# Altium PCB 10X SD CARD READER PCB.PcbDoc (part 1 of 4)
Units mm, origin at the board's own origin, x right, y up, seen from the top; angles counter-clockwise.
Board outline 157.35 x 86.61 mm, 6 copper layers (Top Layer, Int1_GND1, Int2 Sig1, Int3_PWR1, Int4_GND2, Bottom Layer), stack 1.538 mm thick; 309 components, 269 nets, 1221 pads, 584 vias.
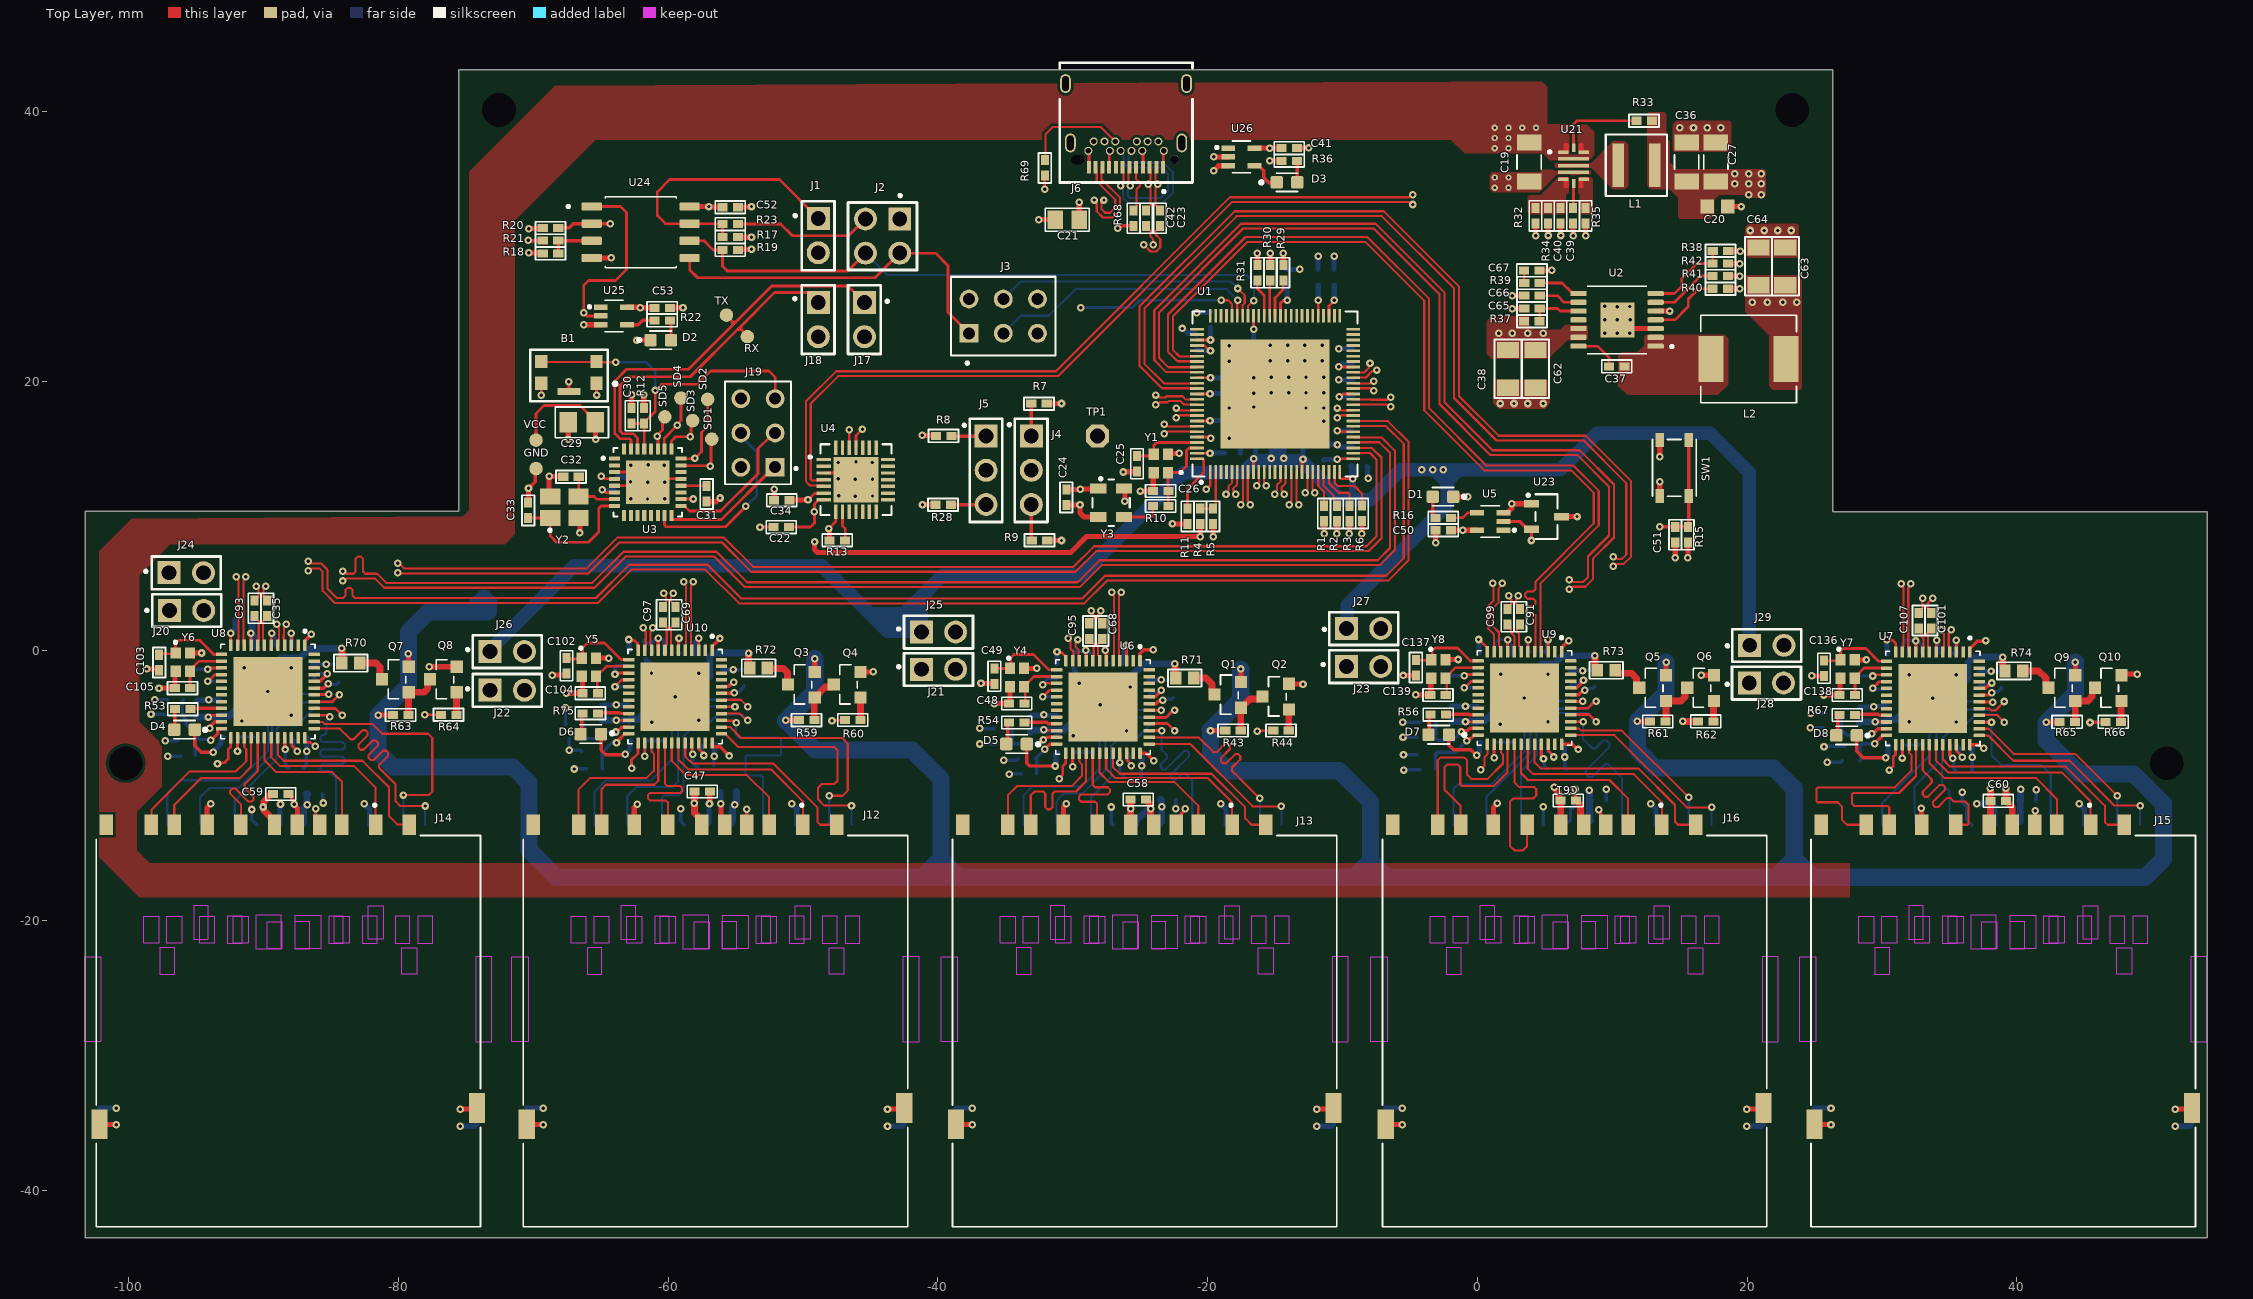
[diagram p0: Top Layer view]
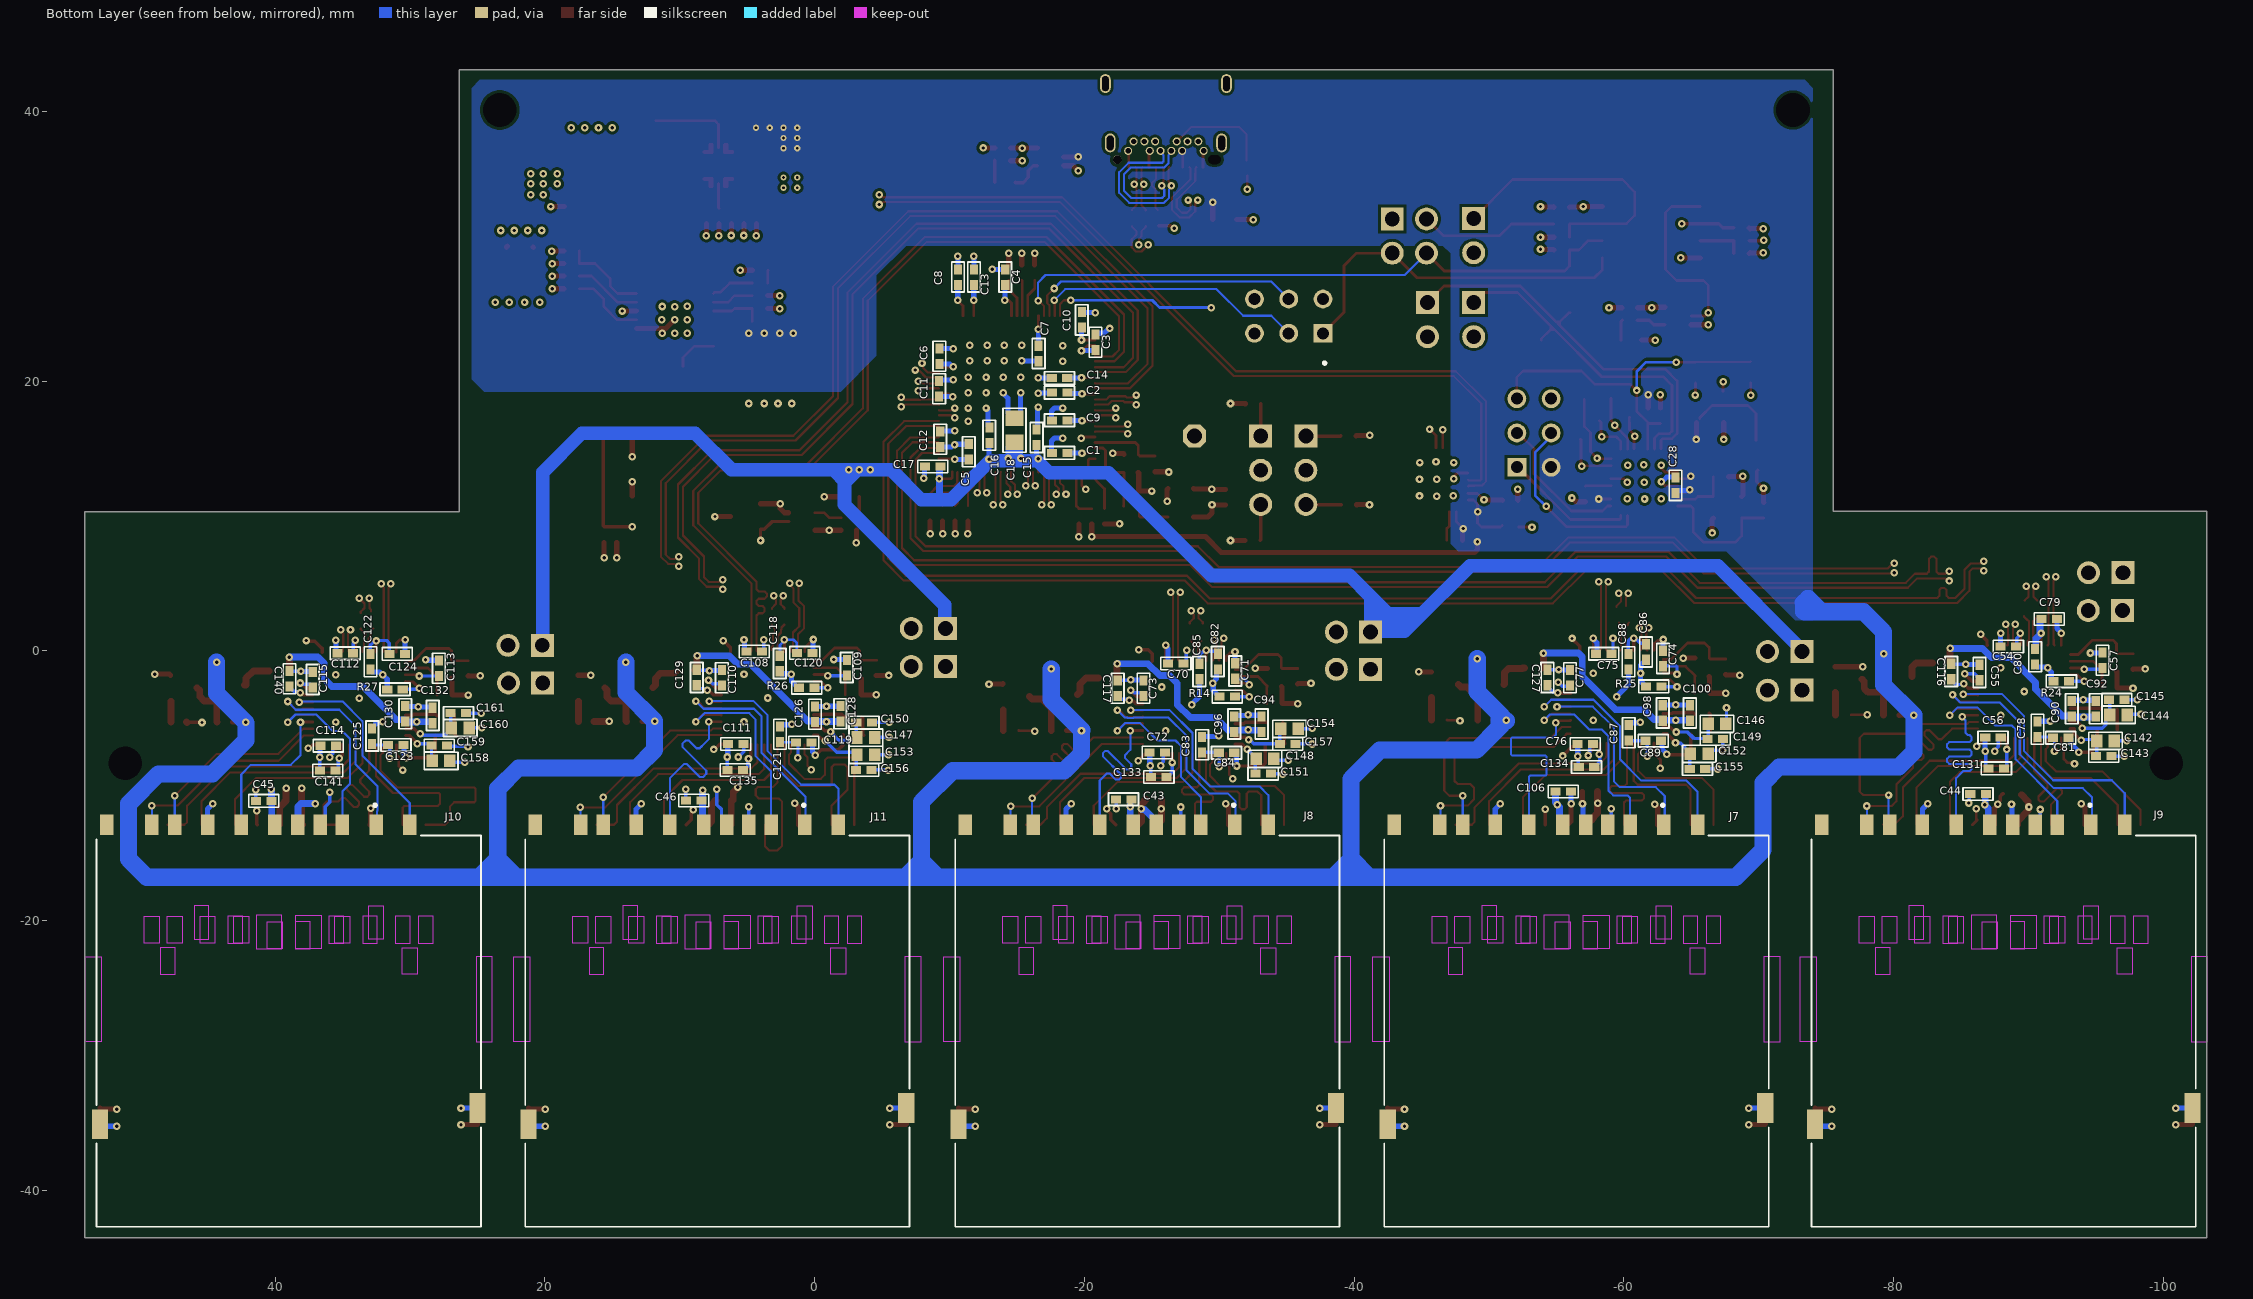
[diagram p1: Bottom Layer view, seen from below]
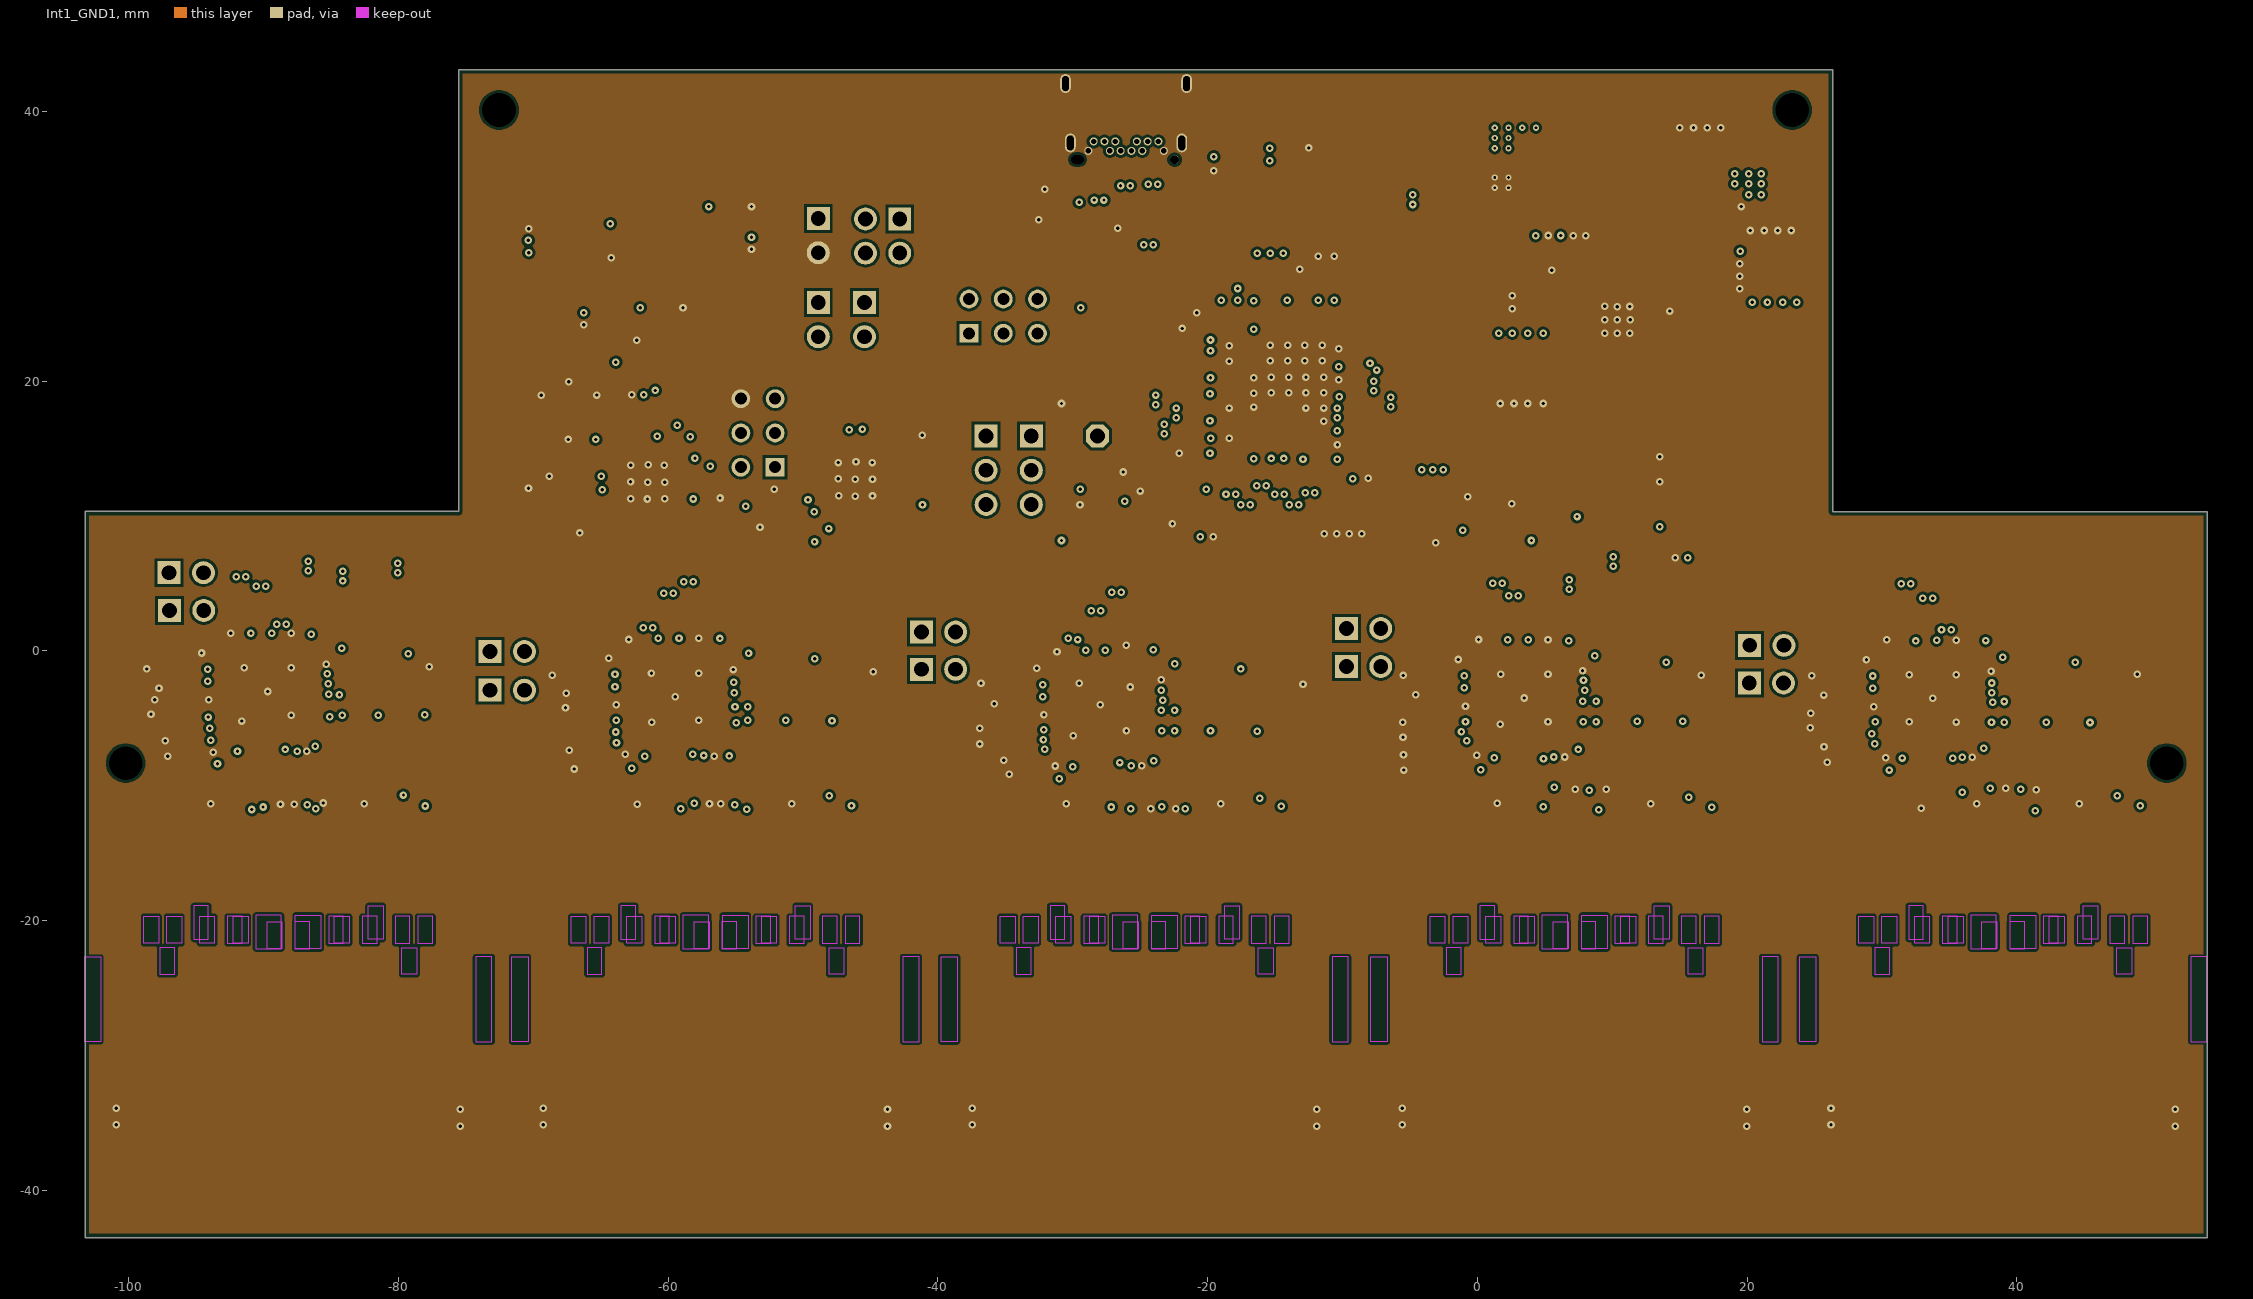
[diagram p2: Int1_GND1]
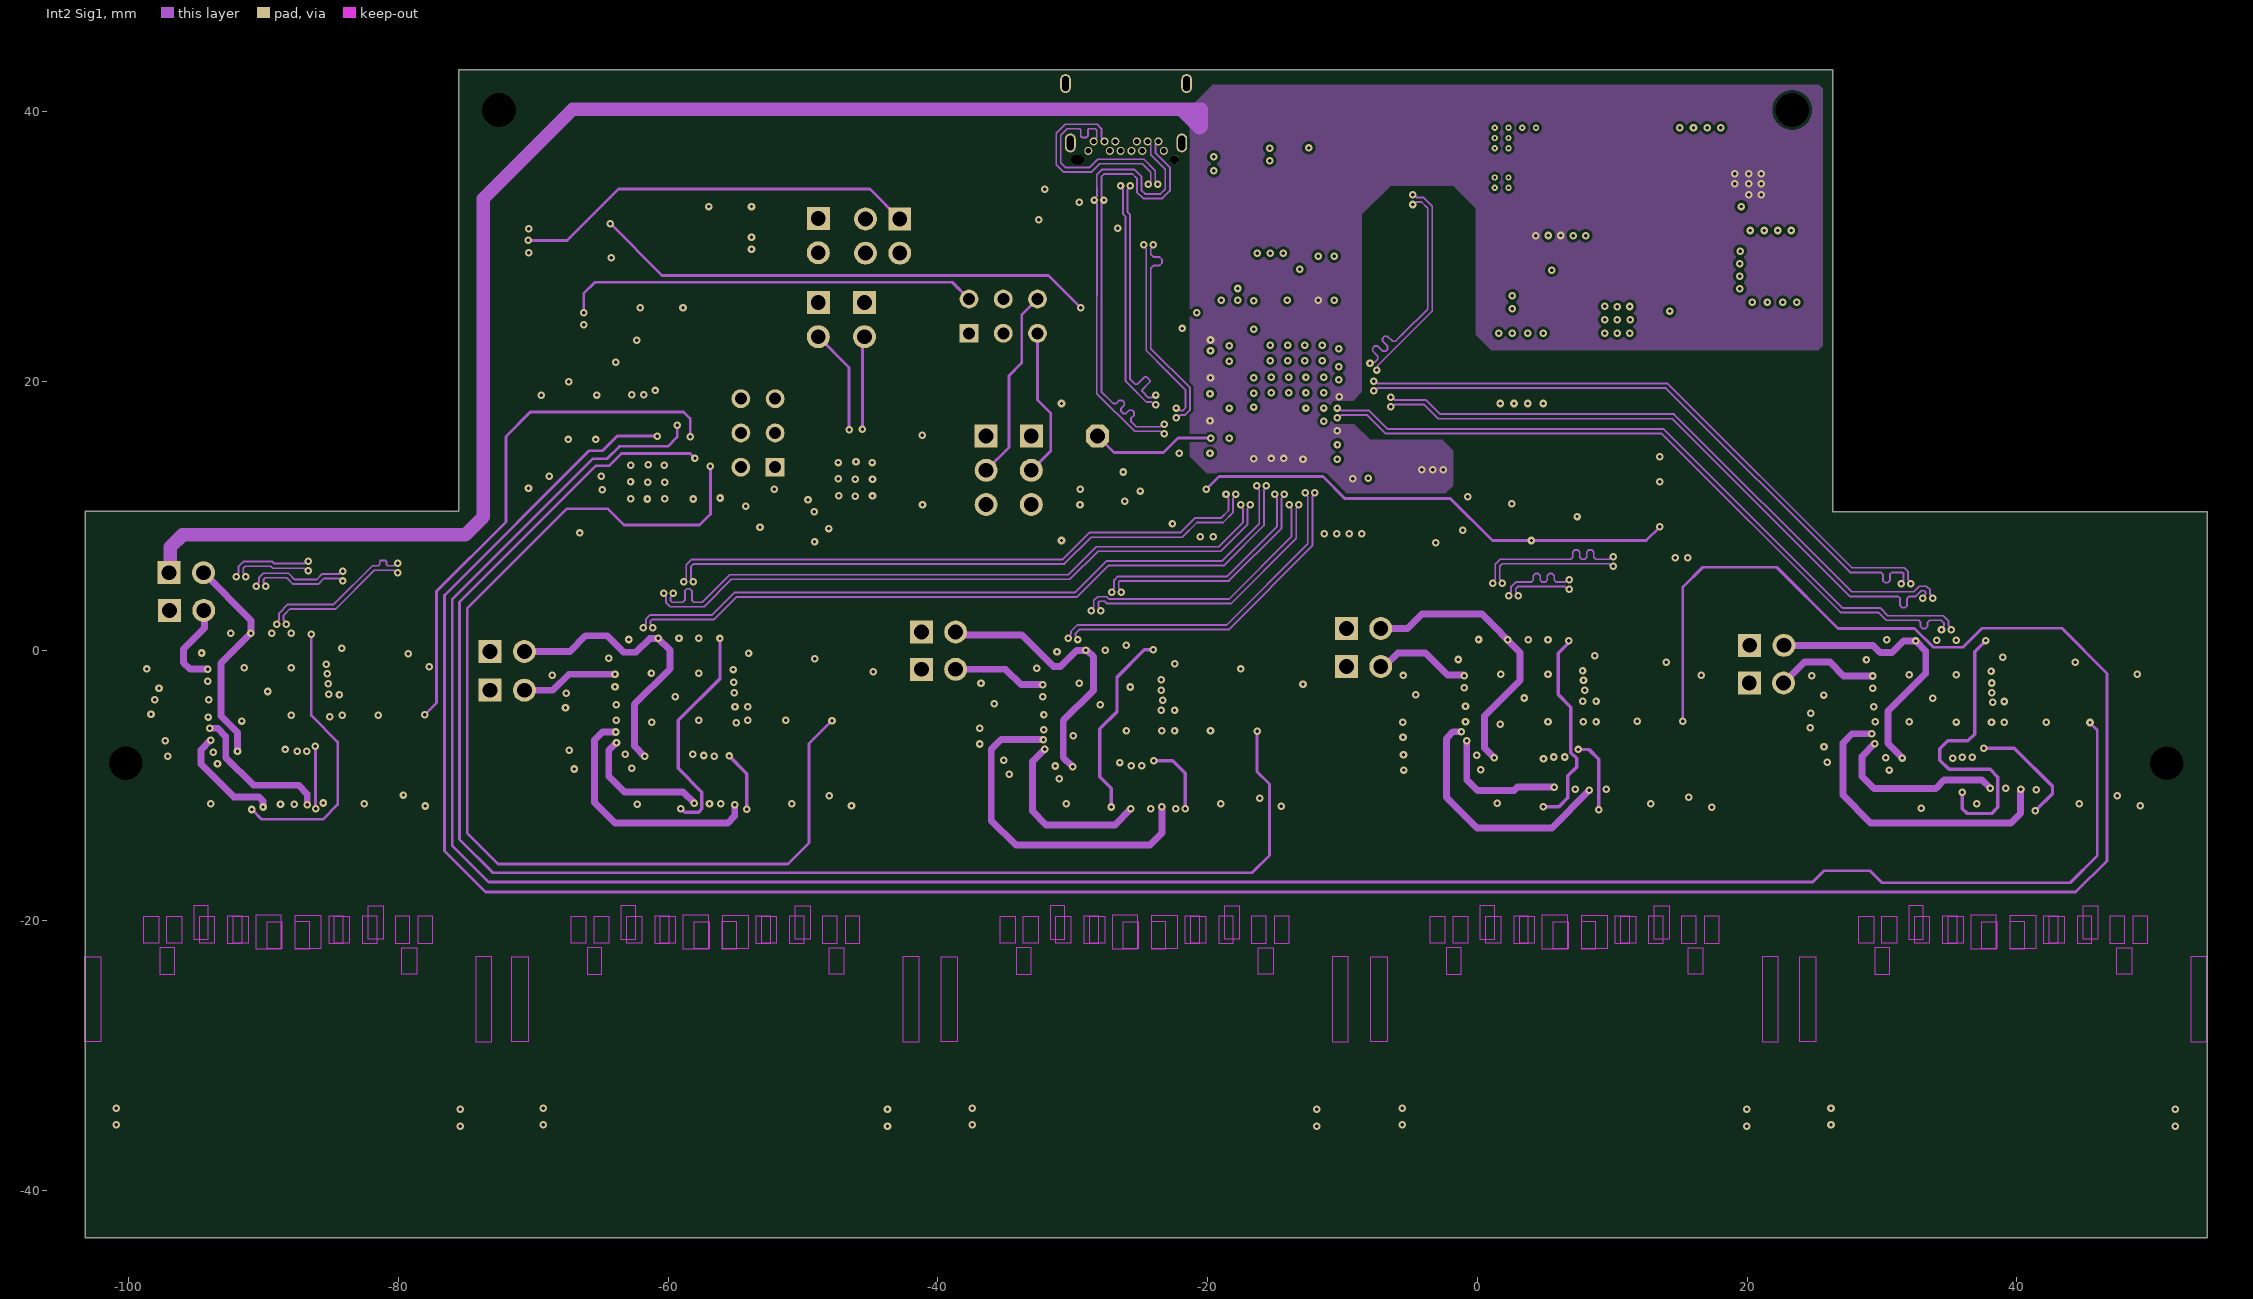
[diagram p3: Int2 Sig1]